# Altium PCB GameBoard_V1I1_Phase1.PcbDoc (part 7 of 18) (continued)
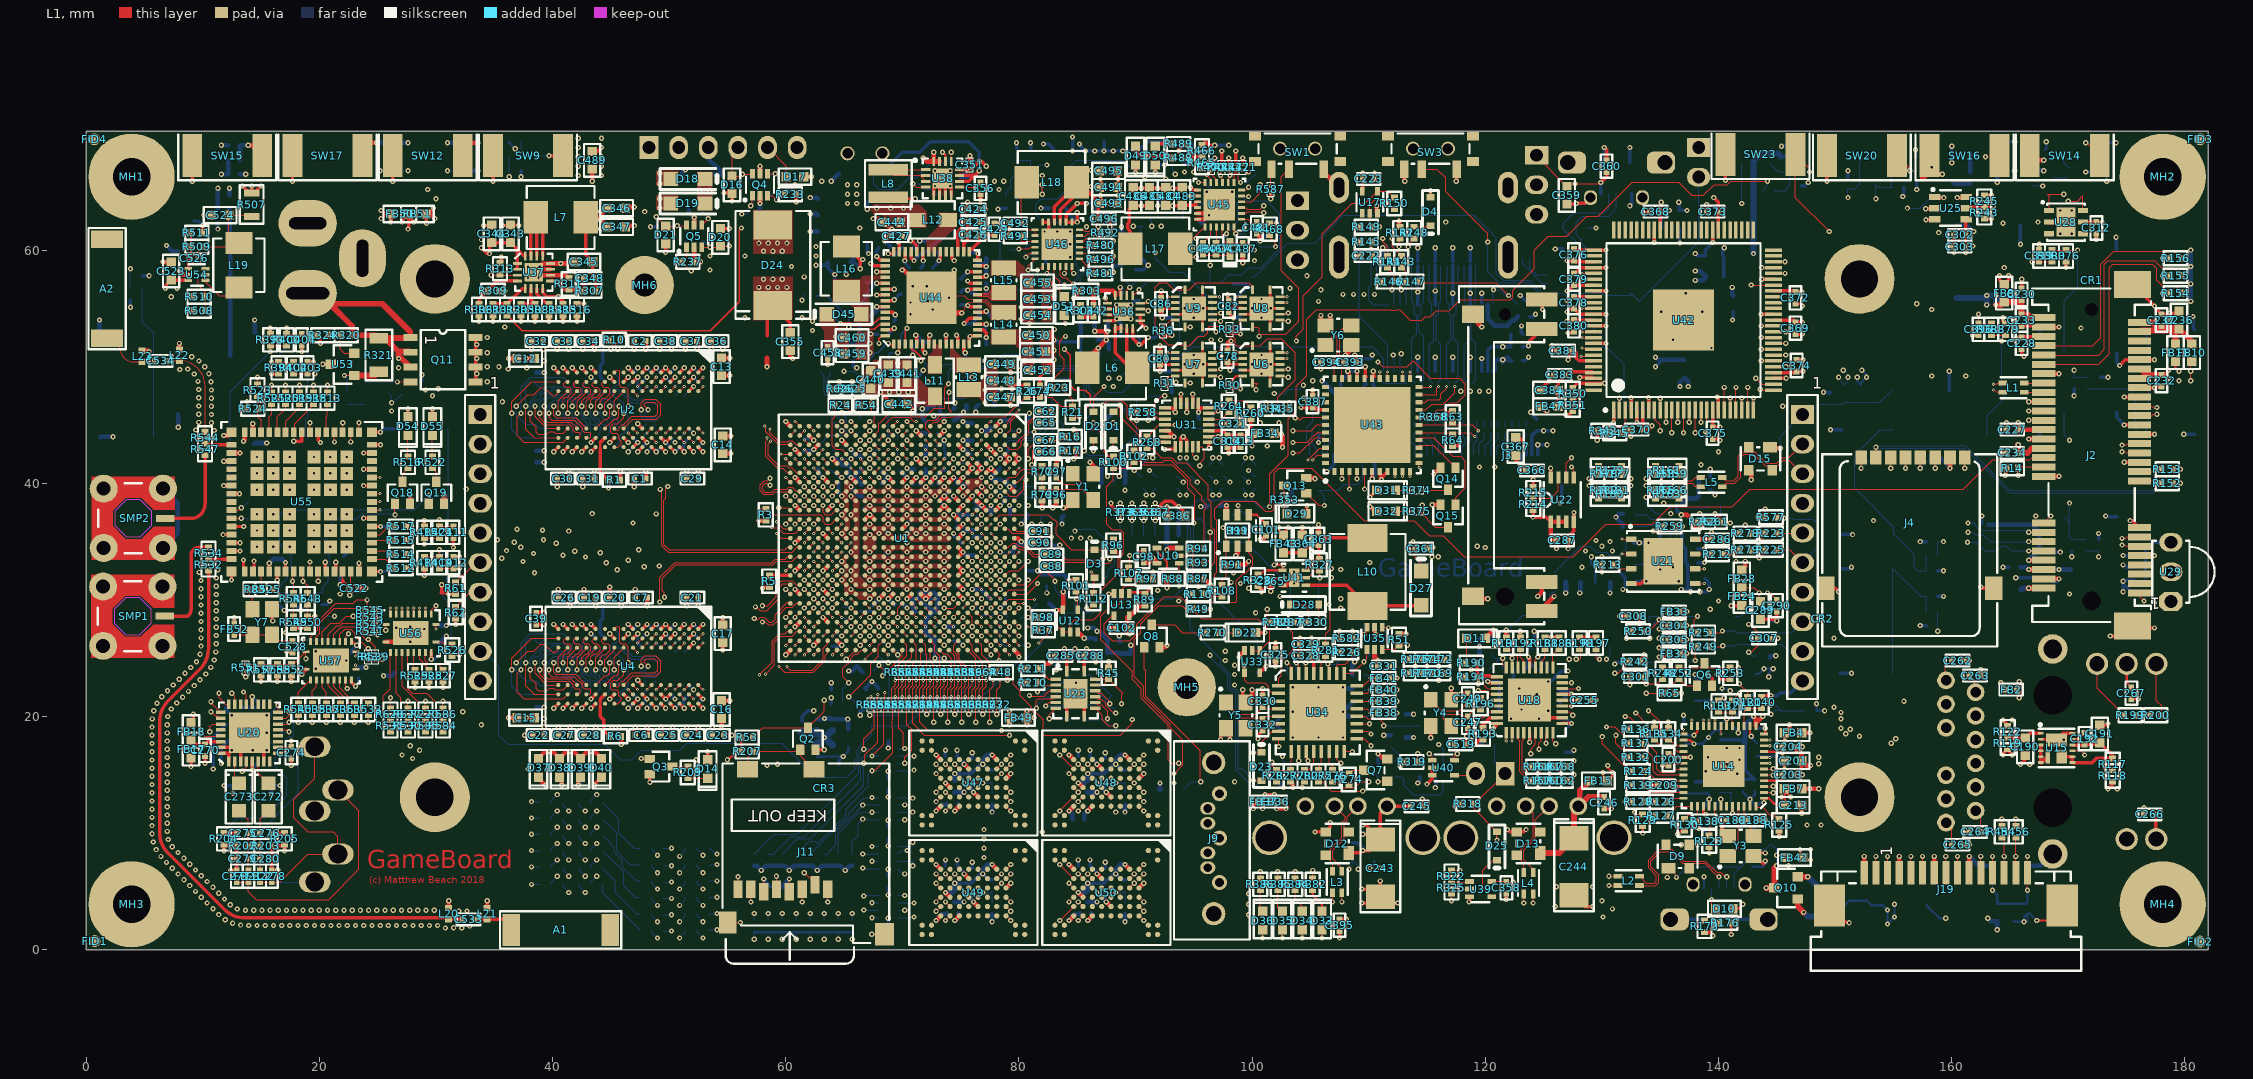
[diagram p0: L1 view]
## Nets (pads, with @x,y where several pads share a name; then routed paths per layer and width w, separated by ;. In a path a pad name is that pad's centre, name@x,y a point inside that pad or via, vN(x,y) a via of type N, cw(c..) or ccw(c..) an arc to the next point about the centre after c; other vN are vias at no path point) (continued)
  L8 (PWR) w0.4: J13.3@103.9,59.16 104.082,59.16 107.275,55.967 107.275,48.475 111,44.75 107.175,40.925 107.175,34.625 112.225,29.575 112.225,23.983 111.875,23.633 111.875,20.083 113.758,18.2 v1(113.85,18.2)
  L12 w0.3: SW2.3@69.05,66.55 69.05,67.45 70,68.4 71.5,68.4 72.4,69.3 75.7,69.3 76.6,68.4 v1(76.6,67.6) 76.35,67.6 C350.1@74.95,66.2 76,66.2 v1(76.6,66.8)
  L12 w0.4: v1(91.9,63.8) TP45.1@92.6,64.5 ; R583.1@113.2,18.2 v1(113.85,18.2)
+USB_CHARGE: C359.1 C360.1 D26.1 J18.1 J22.1 | length 13.8
  L1 w0.093: J22.1@124.4,68.14 124.4,68.05 C359.1@127,65.45 127.25,65.7 v1(127.7,65.7) 129.8,65.7 v1(129.9,65.8)
  L1 w0.3: v1(129.9,65.8) 130.4,66.3 C360.1@130.4,66.7
  L7 (PWR) w0.093: v1(129.5,61.9) 129.5,63.863 129.722,64.085 129.722,65.622 v1(129.9,65.8)
  L12 w0.093: D26.1@128.7,61.9 v1(129.5,61.9)
  L12 w0.3: v1(129.9,65.8) 129.9,64.875 J18.1@129.95,64.825
+VBUS: C481.1 C482.1 J22.2 R468.2 TP25.1 U45.1 | length 28.8
  L1 w0.1: U45.1@99.1,62.65 99.65,62.65 100,62.3 R468.2@101.5,62.3 v1(102.1,62.3)
  L7 (PWR) w0.4: v1(102.1,62.3) 102.8,63 107.9,63 109.225,64.325 110.917,64.325 111.532,63.71 122.426,63.71 124.316,65.6 J22.2@124.4,65.6
  L12 w0.1: C482.1@101.2,62.3 101.2,62.328 v1@102.072,62.328 ; TP25.1@101.7,62.7 v1@102.072,62.328 ; v1(102.1,62.3) v1@102.072,62.328
+VCC_CAN: C301.1 C304.1 C305.2 FB32.2 FB33.2 R248.2 U24.5 U26.3 | length 14
  L1 w0.1: C301.1@133.4,23.4 133.4,23.2 v1(133.8,22.8) 134.8,22.8 R248.2@135.2,23.2 ; v1(134.9,25.1) 135.4,25.1 FB32.2@135.7,25.4 C305.2@135.7,26.6 C304.1@135.7,27.8 ; v1(134.9,27.5) 135.2,27.8 C304.1@135.7,27.8 ; FB33.2@135.7,29 C304.1@135.7,27.8
  L5 (PWR) w0.1: v1(133.8,22.8) 134.9,23.9 v1(134.9,25.1) 134.9,25.15 134.525,25.525 134.525,26.055 134.9,26.43 v1(134.9,26.7)
  L12 w0.1: U24.5@133.75,23.35 133.75,22.85 v1(133.8,22.8) ; v1(134.9,27.5) 135.065,27.335 U26.3@135.8,27.335
+VCOREDIG: C471.1 R432.2 U44.51 | length 2.9
  L1 w0.3: v2(67.8,55.15) U44.51@68.55,55.15
  L12 w0.3: v2(67.8,55.15) 68.35,55.15 C471.1@68.4,55.1
  L12 w0.4: R432.2@67.3,54.35 67.8,54.85 67.8,55.1 C471.1@68.4,55.1
+VDD_CSI: C475.1 C476.1 FB48.2 J19.15 R451.2 R452.2 | length 9.7
  L1 w0.1: v1@166.5,5.1 J19.15@166.5,6.6 v1(166.5,8)
  L12 w0.1: v1(163.5,5.1) R452.2@163.5,6 ; v1(166.5,5.1) R451.2@166.5,6
  L12 w0.2: v1(163.5,5.1) 163.9,4.7 FB48.2@163.9,3.95 C475.1@165.3,3.95 166.35,3.95 C476.1@166.5,4.1 v1(166.5,5.1)
+VDD_SNVS_CAP: C156.1 U1.G9 | length 1.2
  L1 w0.4: v2(74.4,38.9) U1.G9@74.8,38.5
  L12 w0.15: C156.1@74.135,38.4 74.135,38.635 v2(74.4,38.9)
+VDDA: C271.1 FB16.1 FB20.1 U20.5 | length 3.9
  L1 w0.3: v1(14.25,15.4) U20.5@14.25,16.14
  L12 w0.3: v1(14.2,13.2) 14.2,14.056 FB20.1@14.223,14.079 14.25,14.106 v1(14.25,15.4) 14.25,15.531 C271.1@14.823,16.104
+VDDD: C270.1 FB17.2 FB18.1 U20.30 | length 2.8
  L1 w0.3: FB18.1@9,17.9 9.3,17.6 C270.1@10.2,17.6 10.45,17.85 U20.30@11.54,17.85
+VDDIO: C269.1 FB19.2 U20.20 | length 3.1
  L1 w0.3: U20.20@14.25,21.06 v1(14.25,21.7)
  L12 w0.3: FB19.2@13.48,20.811 14.73,20.811 C269.1@14.823,20.904 14.823,21.127 v1(14.25,21.7)
+VDDPU: C143.1 C144.1 C145.1 C146.1 C147.1 C148.1 U1.H17 U1.J17 U1.K17 U1.L17 U1.M17 U1.N17 U1.P17
  other v2: 70.4,31.7 72,31.7 73.6,31.7
+VDDUSB: C68.1 C69.1 U1.F9 | length 5.7
  L1 w0.4: U1.F9@75.6,38.5 v2(76,38.9)
  L5 (PWR) w0.14: v2(76,38.9) 76,38.665 76.16,38.505 78.795,38.505 v1(79.2,38.1)
  L12 w0.14: v2(76,38.9) 76.3,39.2 C69.1@76.3,39.435
  L12 w0.4: v1(79.2,38.1) 79.25,38.05 C68.1@79.25,37.3
+VIN_4V2: C337.1 C338.1 C343.1 C344.1 C355.1 C420.1 C431.1 C432.1 C433.1 C434.1 C435.1 C436.1 C437.1 C438.1 C456.1 C457.1 C461.1 C462.1 C463.1 C464.1 C465.1 C466.1 C467.1 C468.1 C469.1 C523.1 D24.1 L16.1 R119.1 R227.1 R294.2 R295.2 R305.2 R306.2 R310.1 R508.1 TP22.1 U36.1 U36.2 U36.16 U37.1 U37.2 U37.16 U44.7 U44.10 U44.12 U44.20 U44.23 U44.24 U44.34 U44.37 U44.40 U44.45 U44.50 U54.3 | length 395
  L1 w0.3: v1(6.8,56.7) 6.8,56.95 C523.1@7.3,57.45 7.35,57.4 U54.3@8.76,57.4 ; v1(8.6,54.8) R508.1@9.2,54.8 ; v1(33.7,53.9) R306.2@33.7,54.4 ; v1(33.9,60.2) 34.4,59.7 v1(34.6,59.7) 34.6,60.45 C344.1@34.8,60.65 C343.1@36.4,60.65 36.99,60.06 ; v1(34.9,53.9) R310.1@34.9,54.4 ; U37.2@36.99,58.35 U37.1@36.99,58.85 36.99,60.06 ; v1(37.3,53.9) R305.2@37.3,54.4 ; U37.16@37.65,59.51 37.54,59.51 36.99,60.06 ; 58.4,52.65 58.4,54.75 D24.1@58.9,55.25 60.4,53.75 C355.1@60.4,52.9 ; L16.1@65.2,60.3 66.3,59.2 v1(66.6,59.2) 66.4,59 v1(66.4,58.4) ; v2(67.8,58.15) U44.45@68.55,58.15 ; U44.50@68.55,55.65 69.2,55.65 v2(69.3,55.75) ; v2(70.2,59.1) 70.25,59.15 U44.40@70.25,59.85 ; U44.37@71.75,59.85 71.75,59.15 v2(71.8,59.1) ; U44.7@72.25,51.95 72.25,52.6 v2(72.35,52.7) ; v2(73.15,59.1) 73.25,59.2 U44.34@73.25,59.85 ; U44.10@73.75,51.95 v2(73.75,52.7) ; v2(74.65,52.7) 74.75,52.6 U44.12@74.75,51.95 ; v2(75.6,55.25) 75.7,55.15 U44.20@76.45,55.15 ; v2(75.6,56.55) 75.7,56.65 U44.23@76.45,56.65 ; v2(75.6,57.35) 75.8,57.15 U44.24@76.45,57.15 ; U36.16@89.75,53.29 89.75,52.45 v1(90.3,51.9) 90.5,51.9 v1(91.1,52.5) ; U36.2@90.41,54.45 U36.1@90.41,53.95 90.41,53.79 v1(90.9,53.3) ; v1(164.4,16.7) 164.4,16.8 R119.1@164.8,17.2 164.8,17.1 v1(165.2,16.7)
  L8 (PWR) w0.3: v1(7.8,56.7) v1(6.8,56.7) 6.8,56.5 v1(7.3,56) 8.5,54.8 v1(8.6,54.8) 11.7,54.8 14.1,52.4 18.7,52.4 19.4,53.1 32.9,53.1 v1(33.7,53.9) ; v1(34.6,59.7) 34.6,58.372 34.275,58.047 34.275,56.925 v1(37.3,53.9) ; v1(34.9,53.9) v1(33.7,53.9) ; v1(57.7,56.8) 51.9,56.8 47.8,60.9 v1(33.9,60.9) v1(33.9,60.2) 33.9,54.1 v1(33.7,53.9) ; v1(59.7,57.5) 61.128,57.5 61.403,57.225 61.797,57.225 62.075,57.503 62.803,57.503 65.678,60.378 65.678,61.9 65.789,62.011 65.789,62.961 66.903,64.075 70.53,64.075 71.141,63.464 71.364,63.464 ; v1(60.1,56.8) 66.45,56.8 v2(67.8,58.15) ; v1(66.4,58.4) 66.425,58.375 67.575,58.375 v2(67.8,58.15) ; 69.4,61.2 69.384,61.2 68.975,60.791 68.975,60.603 68.697,60.325 68.69,60.325 68.275,59.91 68.275,59.253 67.8,58.778 v2(67.8,58.15) ; v2(71.8,59.1) v2(73.15,59.1) 73.15,58.928 74.728,57.35 v2(75.6,57.35) v2(75.6,56.55) v2(75.6,55.25) 75.425,55.075 74.903,55.075 74.625,54.797 74.625,52.725 v2(74.65,52.7) v2(73.75,52.7) v2(72.35,52.7) 71.025,54.025 70.503,54.025 70.225,54.303 70.225,54.825 v2(69.3,55.75) 69.3,55.972 70.475,57.147 70.475,58.497 70.2,58.772 v2(70.2,59.1) 70.2,62.3 71.364,63.464 ; v1@88,58.2 86.8,58.2 86.075,58.925 85.547,58.925 84.597,59.875 83.253,59.875 82.528,60.6 75.6,60.6 73.6,62.6 72.228,62.6 71.364,63.464 ; v1(88.1,58.1) 87.925,57.925 87.925,53.903 88.203,53.625 88.575,53.625 v1(90.3,51.9) ; 91.1,53.5 v1(91.1,52.5) 91.272,52.5 92.775,54.003 92.775,54.247 96.953,58.425 100.197,58.425 100.675,58.903 100.675,59.475 101.525,60.325 101.525,61.01 103.515,63 110.263,63 110.338,62.925 111.341,62.925 111.416,63 122.775,63 123.765,62.01 125.035,62.01 125.625,62.6 155.875,62.6 156.4,62.075
  L8 (PWR) w0.4: v1(113.85,20.2) 118.358,20.2 119.183,19.375 119.617,19.375 119.767,19.525 120.917,19.525 121.567,18.875 127.617,18.875 128.367,19.625 130.617,19.625 130.817,19.425 132.117,19.425 132.567,18.975 135.917,18.975 136.067,19.125 142.717,19.125 143.417,18.425 146.917,18.425 147.567,17.775 152.725,17.775 158.451,12.049 158.451,10.149 158.758,9.842 160,9.842 160.882,10.724 163.724,10.724 163.775,10.775 163.775,12.2 164.4,12.825 ; 156.4,62.075 156.525,62.075 162.475,56.125 162.475,55.083 163.775,53.783 163.775,45.383 165.125,44.033 165.125,32.783 164.6,32.258 164.6,23.367 164.725,23.242 164.725,21.258 168.1,17.883 168.1,14.124 167.849,14.124 167.35,13.625 165.2,13.625 164.4,12.825 ; v1(164.4,16.7) 164.4,12.825
  L12 w0.3: TP22.1@58.9,55.9 59.3,56.3 v1(59.3,56.8) ; C457.1@66,60.5 66,59.425 C456.1@65.55,58.975 65.825,58.975 v1(66.4,58.4) ; C462.1@68.35,58.15 C462.1@68.4,58.1 ; v2(69.3,55.75) 69.75,56.2 C469.1@69.9,56.2 ; v2(70.2,59.1) 70.2,58.9 C436.1@70.6,58.5 ; C433.1@71.6,58.5 71.8,58.7 v2(71.8,59.1) ; C420.1@72.6,58.5 73.15,59.05 v2(73.15,59.1) 73.15,59.65 C431.1@73,59.8 ; C463.1@75,55.3 75.55,55.3 v2(75.6,55.25) ; C467.1@75,56.4 75.2,56.6 v2@75.6,56.6 ; v2@75.625,56.575 75.9,56.3 C461.1@76.3,56.3 ; v2@75.7,57.2 C464.1@76.2,57.2 ; v1(88.1,58.1) 88.1,58.5 88.304,58.704 R294.2@88.8,58.704 ; C337.1@90.25,52.6 90.3,52.55 v1(90.3,51.9) ; C338.1@90.3,54.15 90.3,53.9 v1(90.9,53.3) ; v1(91.1,52.5) 91.7,52.5 R295.2@91.8,52.6
  L12 w0.4: R227.1@113.2,20.2 v1(113.85,20.2)
  other v1: 58.5,56.8 58.1,57.5 58.9,57.5
+VIN_5V: C261.1 C352.1 C353.1 C354.1 C357.1 D24.2 FB11.1 FB14.1 FB15.2 FB27.2 FB42.1 FB43.2 J13.1 L8.2 Q9.3 R317.2 R582.1 U19.7 U38.14 | length 383.9
  L1 w0.2: L8.2@68.8,64.4 v2(71.1,64.4) ; v1(73.45,68.4) 73.7,68.15 U38.14@73.7,67.6 ; v1(102.3,36.2) 102.3,35.95 FB43.2@102.7,35.55 102.7,35.8 v1(103.1,36.2) ; v1(107.5,27.3) 107.5,26.8 R582.1@107.6,26.7 ; v1(130.1,15.2) 130.1,14.85 FB15.2@130.45,14.5 130.9,14.95 v1(130.9,15.2) 130.5,15.6 v1(130.5,15.8) ; v1(147,8.6) 147,8.15 FB42.1@147.25,7.9 ; FB11.1@179.2,50.45 179.2,49.9 v1(179.5,49.6)
  L5 (PWR) w0.2: v1(77.5,65.2) v1(78.3,65.2) 80.199,65.2 81.824,66.825 85.476,66.825 87.425,64.876 88.076,64.225 94.876,64.225 94.976,64.325 97.376,64.325 97.526,64.175 99.876,64.175 100.526,64.825 101.776,64.825 102.361,64.24 J13.1@103.9,64.24 106.585,64.24 107.015,63.81 107.885,63.81 108.3,64.225 110.876,64.225 111.291,63.81 121.69,63.81 124.325,61.175 149.676,61.175 150.001,61.5 156.2,61.5 157.6,60.1 157.6,55 v1(152.3,49.7) ; v1(77.9,65.9) v1(78.7,65.9) ; v1(102.3,36.2) 102.7,35.8 ; v1(103.1,36.2) 102.7,35.8 ; v1(111,7) 117.399,7 118.299,7.9 137.701,7.9 138.526,8.725 144.176,8.725 144.201,8.7 145.599,8.7 ; v1(130.5,15.8) 130.5,18.599 131.525,19.624 131.525,28.024 132.225,28.724 132.225,31.076 130.476,32.825 129.975,32.825 v1(129.1,33.7) 116.576,33.7 116.151,33.275 113.475,33.275 v1(107.5,27.3) 106.175,28.625 106.175,31.674 106.225,31.724 106.225,32.076 104.876,33.425 104.375,33.425 102.7,35.1 102.7,35.8 ; v1(130.9,15.2) 131.675,14.425 131.675,13.924 133.124,12.475 143.226,12.475 144.425,11.276 144.425,9.874 145.599,8.7 ; v1(152.7,49.1) 157.799,49.1 158.274,48.625 177.576,48.625 177.626,48.575 178.776,48.575 179.001,48.8 179.251,48.8 ; v1(154.5,3.4) 152.4,5.5 150.1,5.5 v1(147.9,7.7) v1(147.9,8.6) v1(147,8.6) 146.9,8.7 145.599,8.7 ; v1(155.1,3.9) 156.9,3.9 158.5,5.5 163.299,5.5 163.324,5.525 170.625,5.525 173.855,8.755 173.855,9.959 175.6,11.704 175.6,18.7 171.3,23 171.3,27.525 169.625,29.2 169.625,31.725 174.875,36.975 ; 174.875,36.976 179.175,41.276 179.175,48.724 179.251,48.8 ; v1(179.5,49.6) v1(179.5,48.8) 179.251,48.8
  L8 (PWR) w0.2: v1(57.7,60.6) 57.7,63.299 58.225,63.824 58.225,64.787 60.163,66.725 65.475,66.725 66.1,66.1 v2(66.1,65.6) 67.6,65.6 70.325,68.325 71.976,68.325 72.326,67.975 72.876,67.975 73.301,68.4 v1(73.45,68.4) 73.675,68.175 73.675,66.624 73.924,66.375 77.425,66.375 v1(77.9,65.9) 77.9,65.6 v1(77.5,65.2) ; v1(59.7,59.9) 63.8,64 v2(65.3,64) ; v2(65.3,64.8) v2(65.3,65.6) ; v2(66.1,64) 66.333,64 66.758,64.425 71.075,64.425 v2(71.1,64.4)
  L12 w0.2: v2(71.1,64.4) 71.275,64.225 R317.2@71.9,64.225 ; FB14.1@110.5,7.65 110.5,7.4 v1(110.1,7) v1(111,7) ; v1(129.1,33.7) C261.1@129.1,33.1 129.435,32.765 U19.7@129.435,31.5 ; Q9.3@150.51,3.8 150.8,3.8 151.2,4.2 152.75,4.2 C357.1@153.15,3.8 154.1,3.8 v1(154.5,3.4) v1(154.5,2.2) v1(155.1,2.8) v1(155.1,3.9) ; v1(151.9,49.1) 151.9,48.75 FB27.2@152.2,48.45 152.2,48.6 v1(152.7,49.1) 152.7,49.3 v1(152.3,49.7)
  other v1: 58.1,59.9 58.9,59.9 58.5,60.6 59.3,60.6 60.1,60.6
  other v2: 66.1,64.8
+VIN_ETH: C190.1 R119.2 R122.2 U15.1 | length 3
  L1 w0.3: R119.2@164.8,18.2 164.85,18.15 C190.1@166.3,18.15 166.35,18.15 166.75,18.55 U15.1@167.64,18.55
ACTIVE: D28.1 LCD1.31 Q13.1 R330.1 U42.8 | length 77
  L1 w0.1: D28.1@103.262,29.6 104.5,29.6 104.8,29.3 R330.1@104.8,28.1 ; Q13.1@104.65,39.15 105.7,38.1 v1(106.2,38.1) ; U42.8@134.5,46.275 134.5,45.5 135,45 v1(135,44.5)
  L3 w0.1: v1(106.2,38.1) 109.2,38.1 109.7,38.6 109.7,39 110.5,39.8 111.3,39.8 112,40.5 113.3,40.5 113.935,41.135 114.535,41.135 114.585,41.085 v1(114.585,38.115) ; v1(107.6,32.6) 107.7,32.6 108.3,33.2 v1(110.1,33.2)
  L10 w0.1: v1(104.9,28.8) 105.17,28.8 106.345,29.975 106.525,29.975 107.4,30.85 107.4,32.4 v1(107.6,32.6) ; v1(106.2,38.1) 106.2,37.6 110.1,33.7 v1(110.1,33.2) ; v1(114.585,38.115) 114.955,38.115 115.295,37.775 124.653,37.775 125.746,38.868 126.53,38.868 128.575,40.913 128.575,40.975 129.1,41.5 135.38,41.5 135.68,41.8 138.17,41.8 138.345,41.975 138.745,41.975 139.5,42.73 139.5,44.786 138.686,45.6 135.2,45.6 135,45.4 v1(135,44.5)
  L12 w0.1: v1(106.2,38.1) 106.2,38.9 105.7,39.4 107.4,39.4 107.9,39.9 109.1,39.9 109.5,40.3 LCD1.31@109.5,42.45
ANALOG_IN_0_SW: R289.1 U34.25 U35.4 | length 4.4
  L1 w0.1: U34.25@107.9,23.7 108.6,23.7 v1(109.6,24.7) 109.85,24.95 U35.4@109.85,25.75
  L12 w0.1: v1(109.6,24.7) 109.6,24.8 R289.1@110.3,25.5
ANALOG_IN_1: R226.2 R582.2 TP53.1 U34.26 | length 5.1
  L1 w0.1: U34.26@107.25,23.7 107.25,24.35 107.4,24.5 108,24.5 108.6,25.1 R226.2@108.6,25.5 R582.2@108.6,26.7 v1(108.6,27.3)
  L12 w0.1: TP53.1@108.6,26.7 v1(108.6,27.3)
ANALOG_IN_2: R227.2 R583.2 TP54.1 U34.20 | length 5.9
  L1 w0.1: U34.20@108.975,20.025 109.675,20.025 109.9,19.8 110.9,19.8 111.3,19.4 v1(111.3,19.2)
  L12 w0.1: v1(111.3,19.2) R227.2@113.2,19.2 114.283,19.2 TP54.1@114.383,19.3
ANALOG_IN_3: R228.2 TP55.1 U34.27 | length 2.8
  L1 w0.1: v1(106.5,24.5) 106.6,24.4 U34.27@106.6,23.7
  L12 w0.1: v1(106.5,24.5) 107.2,24.5 TP55.1@107.4,24.7 107.696,24.996 R228.2@107.696,25.6
ANT1: R532.1 R534.2 U55.32 | length 2
  L1 w0.3: R532.1@10.5,33.5 U55.32@12.475,33.5
ANT1_FEED: A1.1 C533.2 L21.1 | length 4
  L1 w0.3: C533.2@33.3,2.6 36.45,2.6 A1.1@36.45,1.7
ANT1_LC: C533.1 L20.1 R532.2 | length 53.5
  L1 w0.3: R532.2@10.5,32.5 10.5,25.852 cw(c7.96,25.852) 9.756,24.056 7.044,21.344 ccw(c8.84,19.548) 6.3,19.548 6.3,10.052 ccw(c8.84,10.052) 7.044,8.256 11.831,3.469 ccw(c13.627,5.265) 13.627,2.725 L20.1@31.2,2.725 ; L20.1@31.1,2.625 31.125,2.6 C533.1@32.3,2.6
ANT2: R544.1 R547.2 U55.18 | length 2.5
  L1 w0.3: U55.18@12.475,43.3 R544.1@10.3,43.3 ; R544.1@10.3,43.3 R544.1@10.2,43.4 R544.1@10.3,43.3
ANT2_FEED: A2.1 C534.2 L23.1 | length 5.9
  L1 w0.1: A2.1@1.8,52.45 A2.1@2.9,52.45 ; A2.1@3.1,52.45 A2.1@2.9,52.45 ; C534.2@5.9,50.5 5.825,50.425 L23.1@4.8,50.425 4.075,50.425 cw(c4.075,51.6) 2.9,51.6 A2.1@2.9,52.45
ANT2_LC: C534.1 L22.1 R544.2 | length 8.5
  L1 w0.1: C534.1@6.9,50.5 7.975,50.5 L22.1@8,50.525 cw(c8,48.325) 10.2,48.325 R544.2@10.2,44.4
AUD3_CLK: R58.2 U20.21 | length 105.6
  L1 w0.1: v1(13.5,22.1) 13.75,21.85 U20.21@13.75,21.06
  L3 w0.1: v1(13.5,22.1) 13.5,22.5 15.2,24.2 15.2,28.2 14.821,28.579 14.821,30.3 15.596,31.075 17.412,31.075 17.622,30.864 20.164,30.864 22.3,33 22.3,33.5 21.8,34 21.8,43.9 22.7,44.8 22.7,46 23.6,46.9 23.6,49.869 25.756,52.025 32.529,52.025 33.179,52.675 33.658,52.675 34.5,53.517 34.5,54.5 34.9,54.9 36.431,54.9 37.631,56.1 39.8,56.1 40.2,56.5 40.614,56.5 44.214,60.1 49.187,60.1 49.287,60.2 49.326,60.2 49.481,60.355 49.662,60.175 53.045,60.175 53.345,59.875 57.125,59.875 57.517,59.483 57.704,59.483 57.862,59.325 61.475,59.325 61.3,59.15 61.3,58.866 62.175,57.991 62.175,56.862 62,56.687 62,56.666 62.621,56.045 62.621,54.758 63.075,54.304 63.075,54.125 64.225,52.975 64.455,52.975 65.6,51.83 65.6,51.366 66.291,50.675 66.421,50.675 66.875,50.221 66.875,49.558 67.433,49 67.433,47.867 68,47.3 68,46.466 68.015,46.451 68.015,44.165 68.038,44.141 68.015,44.118 68.015,43.882 68.182,43.715 68.215,43.715 68.215,43.633 68.2,43.618 68.2,42.917 68,42.717 68,42.297 68.197,42.1 68.603,42.1 69.175,41.528 69.175,41.145 68.93,40.9 68,40.9 67.6,41.3 v2(67.2,41.3)
  L12 w0.1: v2(67.2,41.3) R58.2@67.9,42
AUD3_CLK_R: R58.1 U1.T5 | length 1.8
  L1 w0.093: v2(67.2,42.1) U1.T5@67.6,41.7
  L12 w0.093: v2(67.2,42.1) 67.2,42.3 R58.1@67.9,43
AUD3_RXD: U1.N3 U20.25 | length 108.2
  L1 w0.1: v1(10.7,21.268) 10.7,21.19 U20.25@11.54,20.35 ; U1.N3@70,43.3 v3(70.4,42.9)
  L3 w0.1: v1(10.7,21.268) 10.7,22 12.4,23.7 12.4,23.917 13.3,24.817 13.3,29.91 14.225,30.835 14.225,31.738 14.762,32.275 15.355,32.275 16.9,33.82 16.9,45.3 19.1,47.5 21.8,47.5 22.8,48.5 22.8,50.2 25.5,52.9 30.634,52.9 33.434,55.7 36.1,55.7 37.3,56.9 39.469,56.9 39.869,57.3 40.283,57.3 43.883,60.9 48.366,60.9 48.466,61 48.995,61 49.17,61.175 49.8,61.175 50.447,61.822 50.545,61.725 50.855,61.725 51.13,62 52.954,62 53.029,61.925 54.695,61.925 54.995,62.225 55.305,62.225 56.005,61.525 56.355,61.525 56.93,62.1 62.5,62.1 63.8,60.8 63.8,59.714 64.3,59.214 64.3,58.33 64.575,58.055 64.575,57.992 64.611,57.956 64.611,57.556 64.956,57.211 65.489,57.211 67.425,55.275 67.425,54.995 67.645,54.775 67.925,54.775 69.025,53.675 69.455,53.675 69.675,53.455 69.675,53.025 70.45,52.25 70.45,50.633 70.8,50.283 70.8,49.77 71.4,49.17 71.4,47.604 70.821,47.025 70.525,47.025 69.6,46.1 69.6,45.5 69.615,45.485 69.615,45.482 69.782,45.315 69.785,45.315 69.8,45.3 69.8,45.283 70.555,44.528 70.555,44.075 70.775,43.855 70.775,43.275 v4(70.7,43.2)
  L2 w0.1: v3(70.4,42.9) v4(70.7,43.2)
AUD3_TXC: R57.2 U20.24 | length 113
  L1 w0.1: v1(11.4,22) 11.4,21.6 11.94,21.06 U20.24@12.25,21.06
  L3 w0.1: v1(11.4,22) 11.4,21.2 10.975,20.775 10.545,20.775 10.325,20.555 10.325,20.245 10.57,20 11.39,20 12.815,21.425 13.125,21.425 13.125,23.355 13.545,23.775 13.775,23.775 14.4,24.4 14.4,30.162 15.513,31.275 17.495,31.275 17.705,31.064 18.864,31.064 19.525,31.725 19.525,33.025 20.575,34.075 20.575,44.626 23.4,47.451 23.4,49.951 25.674,52.225 32.446,52.225 33.096,52.875 33.575,52.875 34.3,53.6 34.3,54.583 34.817,55.1 36.349,55.1 37.549,56.3 39.717,56.3 40.117,56.7 40.531,56.7 44.131,60.3 48.614,60.3 48.714,60.4 49.243,60.4 49.418,60.575 50,60.575 50.075,60.5 53.22,60.5 53.445,60.725 55.305,60.725 55.618,60.412 57.057,60.412 57.945,59.525 60.425,59.525 61.7,60.8 62.63,60.8 63.2,60.23 63.2,59.466 63.7,58.966 63.7,58.496 63.425,58.221 63.425,57.579 63.7,57.304 63.7,56.466 66.376,53.789 66.225,53.638 66.225,52.841 66.4,52.666 66.4,51.7 66.475,51.625 67.658,51.625 69,50.283 69,49 69.2,48.8 69.6,48.8 70.1,48.3 70.1,47.617 69.883,47.4 69.6,47.4 69,46.8 69,45.2 68.8,45 68.8,44.6 69.6,43.8 69.6,42.303 69.397,42.1 v2(69.6,42.1)
  L12 w0.1: v2(69.6,42.1) R57.2@69.6,42.8
AUD3_TXC_R: R57.1 U1.N1 | length 1.3
  L1 w0.093: v2(69.6,44.5) U1.N1@70,44.9
  L12 w0.093: R57.1@69.6,43.8 v2(69.6,44.5)
AUD3_TXD: U1.P2 U20.26 | length 105.5
  L1 w0.093: v3(68.8,44.5) U1.P2@69.2,44.1
  L1 w0.1: v1(10.7,20.4) 10.713,20.4 11.063,20.05 11.34,20.05 U20.26@11.54,19.85
  L3 w0.1: v1(10.7,20.4) 11.507,20.4 12.732,21.625 12.775,21.625 12.9,21.75 12.9,23.7 13.7,24.5 13.7,29.745 15.43,31.475 15.645,31.475 16.245,32.075 17.23,32.075 19,33.845 19,43.7 20,44.7 20,45.4 21.3,46.7 22.366,46.7 23.2,47.534 23.2,50.034 25.591,52.425 30.725,52.425 33.6,55.3 36.266,55.3 37.466,56.5 39.634,56.5 40.034,56.9 40.449,56.9 44.049,60.5 48.531,60.5 48.631,60.6 49.16,60.6 49.335,60.775 50.471,60.775 50.696,61 62.713,61 63.4,60.313 63.4,59.549 63.9,59.049 63.9,58.413 63.625,58.138 63.625,57.662 63.9,57.387 63.9,56.549 66.6,53.849 66.6,53.73 66.425,53.555 66.425,53.245 66.67,53 66.97,53 67.145,53.175 67.495,53.175 67.645,53.025 68.405,53.025 69.275,52.155 69.275,51.845 69.2,51.77 69.2,49.1 69.3,49 70.2,49 70.9,48.3 70.9,47.67 70.655,47.425 70.191,47.425 69.2,46.434 69.2,45.117 69.1,45.017 v4(69.1,44.8)
  L2 w0.1: v3(68.8,44.5) v4(69.1,44.8)
AUD3_TXFS: U1.N4 U20.23 | length 106.4
  L1 w0.1: v1(12.5,22) 12.75,21.75 U20.23@12.75,21.06 ; U1.N4@70,42.5 v3(70.4,42.1)
  L3 w0.1: v1(12.5,22) 12.5,22.9 12.6,23 12.6,23.834 13.5,24.734 13.5,29.827 14.425,30.752 14.425,31.655 14.845,32.075 15.962,32.075 16.162,32.275 16.705,32.275 18.175,33.745 18.175,44.125 18.1,44.2 18.1,46 19.2,47.1 22.417,47.1 23,47.683 23,50.117 25.508,52.625 30.642,52.625 33.517,55.5 36.183,55.5 37.383,56.7 39.551,56.7 39.951,57.1 40.366,57.1 43.966,60.7 48.449,60.7 48.549,60.8 49.077,60.8 49.252,60.975 50.388,60.975 50.613,61.2 62.796,61.2 63.6,60.396 63.6,59.631 64.1,59.131 64.1,58.33 63.825,58.055 63.825,57.745 64.1,57.47 64.1,56.631 66.566,54.166 67.621,54.166 70,51.787 70,50.8 70.6,50.2 70.6,49.687 71.2,49.087 71.2,47.687 70.738,47.225 70.442,47.225 69.4,46.183 69.4,45.4 70.025,44.775 70.025,43.075 v4(70.7,42.4)
  L2 w0.1: v3(70.4,42.1) v4(70.7,42.4)
AUD_HP_L: C272.1 U20.6 | length 2.2
  L1 w0.1: U20.6@14.75,16.14 14.75,15.152 C272.1@15.623,14.279
AUD_HP_R: C273.1 U20.2 | length 2
  L1 w0.1: U20.2@12.75,16.14 12.75,14.652 C273.1@13.123,14.279
AUD_HP_VGND: R201.1 U20.4 | length 1.9
  L1 w0.1: v1(13.4,15.3) 13.75,15.65 U20.4@13.75,16.14
  L12 w0.1: v1(13.4,15.3) 13.7,15.6 R201.1@13.7,16.1
AUD_VAG: C274.1 U20.10 | length 1.7
  L1 w0.1: U20.10@16.46,17.35 17.55,17.35 C274.1@17.6,17.4 v1(17.6,17.9)
BAT1: C488.1 R475.1 U45.13 U45.14 | length 10.8
  L1 w0.3: v1(94.7,64.65) U45.14@95.3,64.65 ; v1(94.7,65.4) 94.95,65.15 U45.13@95.3,65.15
  L8 (PWR) w0.3: v1(89.8,62.05) v1(91.4,62.05) v1(92.2,62.05) 92.35,62.05 94.7,64.4 v1(94.7,64.65) v1(94.7,65.4)
  L12 w0.1: v1(89.8,62.05) 90.6,62.05 90.45,61.9 C488.1@90.45,61.3 ; R475.1@91,62.9 91.4,62.5 v1(91.4,62.05)
BAT2: C498.1 R476.1 U46.13 U46.14 | length 8.1
  L1 w0.3: v1(85,63.2) v1(85,62.4) U46.13@84.55,62.4 U46.14@84.05,62.4 84.05,63.05 v1(85,64) v1(85.8,64)
  L12 w0.3: C498.1@84.05,63.6 84.05,63.35 v1(85,62.4) ; v1(85.8,64) 86.2,64 R476.1@87.3,62.9
BL_CTRL: D28.2 R327.1 R329.1 R330.2 U41.5 | length 7.6
  L1 w0.1: U41.5@104.595,31.9 104.8,31.9 105.4,32.5 R327.1@105.8,32.5 v1(105.8,31.9) ; R330.2@105.8,28.1 105.7,28.2 v1(105.7,28.8) D28.2@105.7,29.6 D28.2@105.8,29.7
  L12 w0.1: R329.1@105.8,28.1 105.8,28.7 v1(105.7,28.8) 105.7,31.2 105.8,31.3 v1(105.8,31.9)
BL_PWM: R329.2 U1.B19 | length 42.1
  L1 w0.1: U1.B19@78.8,30.5 79.172,30.872 80.514,30.872 82.043,32.4 82.4,32.4 83.1,31.7 v1(83.1,31.6)
  L12 w0.1: v1(83.1,31.6) 83.1,30.828 83.603,30.325 83.955,30.325 84.23,30.6 84.98,30.6 85.372,30.209 85.372,29.89 85.029,29.548 85.029,29.54 85.67,28.9 86.368,28.9 87.568,30.1 93.152,30.1 94.725,31.673 94.725,36.045 94.625,36.145 94.625,36.755 94.845,36.975 95.555,36.975 95.975,36.555 95.975,35.217 96.267,34.925 98.955,34.925 98.962,34.932 99.468,34.932 103.3,31.1 103.3,29.07 103.945,28.425 104.255,28.425 104.355,28.525 104.375,28.525 R329.2@104.8,28.1
BOARD_ID_1: R73.2 U1.W23 | length 1.4
  L1 w0.093: v2(64.8,26.9) U1.W23@65.2,27.3
  L12 w0.093: R73.2@63.982,27.041 64.659,27.041 v2(64.8,26.9)
BOARD_VARIANT_0: R72.1 R76.2 U1.P25 | length 5.2
  L1 w0.1: U1.P25@69.2,25.7 v2(69.6,25.3)
  L12 w0.1: R72.1@68.9,21 68.9,23.5 69.6,24.2 v2(69.6,25.3)
BOARD_VARIANT_1: R71.1 R75.2 U1.R24 | length 7.6
  L1 w0.1: v1(65.4,21.7) 67.3,23.6 67.3,24.5 67.95,25.15 67.95,26.05 U1.R24@68.4,26.5
  L12 w0.1: R71.1@65.9,21.2 v1(65.4,21.7) 65.9,22.2 R75.2@65.9,22.3
BOARD_VARIANT_2: R70.1 R74.2 U1.U25 | length 6.1
  L1 w0.1: v1(65.4,22.9) 64.9,23.4 64.9,24.129 65.296,24.525 65.355,24.525 65.575,24.745 65.575,24.997 65.928,25.35 66.145,25.35 66.35,25.555 66.35,25.579 66.471,25.7 U1.U25@66.8,25.7
  L12 w0.1: R70.1@64.9,21.2 R74.2@64.9,22.3 64.9,22.4 v1(65.4,22.9)
BOOT_CFG_00: R578.1 R642.2 RN2.9 | length 26.7
  L1 w0.1: v2(70.2,15.982) 70.2,16.5 70.8,17.1 70.8,18.9 70.4,19.3 70.4,20.635 R642.2@70.3,20.735
  L10 w0.1: v2(58.5,3.1) 58.4,3.2 58.4,4.1 59.5,5.2 60.717,5.2 61.517,6 62.451,6 62.651,6.2 63.5,6.2 63.975,6.675 63.975,7.155 63.9,7.23 63.9,8.8 65.925,10.825 67.125,10.825 67.8,11.5 67.8,11.7 68.2,12.1 68.2,13.017 68.425,13.242 68.425,13.255 68.645,13.475 68.658,13.475 69.9,14.717 69.9,14.8 70.2,15.1 v2(70.2,15.982)
  L12 w0.1: R578.1@58.5,2.5 v2(58.5,3.1) ; RN2.9@69.6,15.982 v2(70.2,15.982)
BOOT_CFG_01: R579.1 R643.2 RN2.8 | length 30.4
  L1 w0.1: v3(73.6,21.7) 73.6,22.4 73.9,22.7 R643.2@73.9,23.535
  L3 w0.1: v2(71,16.6) 71,17.2 72.725,18.925 72.938,18.925 73.3,19.287 73.3,19.5 73.675,19.875 73.675,21.09 v4(73.6,21.165)
  L10 w0.1: v2(59.7,3.1) 59.6,3.2 59.6,3.8 61.6,5.8 62.534,5.8 62.734,6 63.583,6 64.4,6.817 64.4,7.883 64.2,8.083 64.2,8.2 66.5,10.5 67.6,10.5 68.1,11 68.1,11.6 70.6,14.1 70.6,15.7 71,16.1 v2(71,16.6)
  L2 w0.1: v4(73.6,21.165) v3(73.6,21.7)
  L12 w0.1: R579.1@59.7,2.5 v2(59.7,3.1) ; RN2.8@69.6,16.618 70.2,16.618 70.218,16.6 v2(71,16.6)
BOOT_CFG_02: R588.1 R644.2 RN2.10 | length 26.2
  L1 w0.1: v2(72.1,20.2) R644.2@72.1,20.735
  L10 w0.1: v2(60.9,3.1) 60.9,4.7 61.6,5.4 62.417,5.4 62.817,5.8 63.666,5.8 64.9,7.034 64.9,8.6 66.5,10.2 67.9,10.2 68.4,10.7 68.4,11.5 69.175,12.275 69.175,12.392 70.283,13.5 70.5,13.5 71,14 v2(71,15.4) 71.3,15.7 71.5,15.9 71.5,17.6 72.1,18.2 v2(72.1,20.2)
  L12 w0.1: R588.1@60.9,2.5 v2(60.9,3.1) ; RN2.10@69.6,15.348 70.948,15.348 v2(71,15.4)
BOOT_CFG_03: R629.1 R645.2 RN1.8 | length 27.5
  L1 w0.1: v3(73,21.7) 73,22.4 73.3,22.7 R645.2@73.3,23.535
  L3 w0.1: v2(70.2,12.418) 70.2,13.6 70.625,14.025 70.625,16.755 70.8,16.93 70.8,17.4 72.525,19.125 72.855,19.125 73.1,19.37 73.1,19.795 72.788,20.107 72.788,20.388 73,20.6 v4(73,21.165)
  L10 w0.1: v2(63.3,3.1) 63.1,3.3 63.1,4.115 65.4,6.415 65.4,8.4 66.7,9.7 68.517,9.7 69.588,10.77 69.588,11.513 70.2,12.125 v2(70.2,12.418)
  L2 w0.1: v4(73,21.165) v3(73,21.7)
  L12 w0.1: R629.1@63.3,2.5 v2(63.3,3.1) ; RN1.8@69.6,12.418 v2(70.2,12.418)
BOOT_CFG_04: R630.1 R646.2 RN1.9 | length 25
  L1 w0.1: v2(73.3,20.2) R646.2@73.3,20.735
  L10 w0.1: v2(64.5,3.1) 64.4,3.2 64.4,4.7 65.7,6 65.7,8.3 66.9,9.5 68.6,9.5 69.825,10.725 69.825,11.303 70.045,11.523 70.123,11.523 70.4,11.8 v2(70.9,11.8) 71.5,11.8 71.9,12.2 71.9,12.617 72.1,12.817 72.1,17.366 72.9,18.166 73.3,18.566 v2(73.3,20.2)
  L12 w0.1: R630.1@64.5,2.5 v2(64.5,3.1) ; RN1.9@69.6,11.782 70.882,11.782 v2(70.9,11.8)
BOOT_CFG_05: R631.1 R647.2 RN1.7 | length 26.4
  L1 w0.1: v2(72.7,19.5) R647.2@72.7,20.735
  L10 w0.1: v2(62.1,3.1) 62,3.2 62,4.7 62.9,5.6 64,5.6 65.1,6.7 65.1,8.4 66.6,9.9 68.3,9.9 69.3,10.9 69.3,11.7 69.6,12 69.6,12.534 70.066,13 v2(70.9,13) 71.3,13 71.9,13.6 71.9,17.449 72.7,18.249 v2(72.7,19.5)
  L12 w0.1: R631.1@62.1,2.5 v2(62.1,3.1) ; RN1.7@69.6,13.052 70.848,13.052 v2(70.9,13)
BOOT_CFG_06: R632.1 R648.2 RN1.10 | length 26.6
  L1 w0.1: v3(72.4,21.7) 72.4,22.4 72.7,22.7 R648.2@72.7,23.535
  L3 w0.1: v2(70.2,11.148) 69.5,11.848 69.5,14.325 69.645,14.325 69.997,14.676 69.997,15.655 69.825,15.827 69.825,16.137 69.997,16.309 69.997,16.41 70.6,17.013 70.6,17.6 72.2,19.2 72.2,19.53 72.475,19.805 72.475,21.09 v4(72.4,21.165)
  L10 w0.1: v2(65.7,3.1) 65.6,3.2 65.6,4.7 65.9,5 65.9,8.2 67,9.3 68.9,9.3 70.2,10.6 v2(70.2,11.148)
  L2 w0.1: v4(72.4,21.165) v3(72.4,21.7)
  L12 w0.1: R632.1@65.7,2.5 v2(65.7,3.1) ; RN1.10@69.6,11.148 v2(70.2,11.148)
BOOT_CFG_07: R633.1 R649.2 RN1.5 | length 20.9
  L1 w0.1: v3(71.2,21.7) 71.2,22.4 71.5,22.7 R649.2@71.5,23.535
  L3 w0.1: v2(67.4,13.052) 69.073,14.725 69.48,14.725 69.597,14.842 69.597,15.489 69.425,15.661 69.425,16.303 69.597,16.475 69.597,17.462 69.625,17.49 69.625,17.634 70.016,18.025 70.338,18.025 70.361,18.048 71.1,18.787 71.1,19.63 71.275,19.805 71.275,21.09 v4(71.2,21.165)
  L2 w0.1: v4(71.2,21.165) v3(71.2,21.7)
  L12 w0.1: R633.1@62.1,8.2 62.7,8.8 62.717,8.8 65.4,11.483 65.4,11.7 66.225,12.525 66.225,12.555 66.722,13.052 v2(67.4,13.052) RN1.5@68,13.052